# Altium PCB BW1098OAK.PcbDoc (part 1 of 3) (continued)
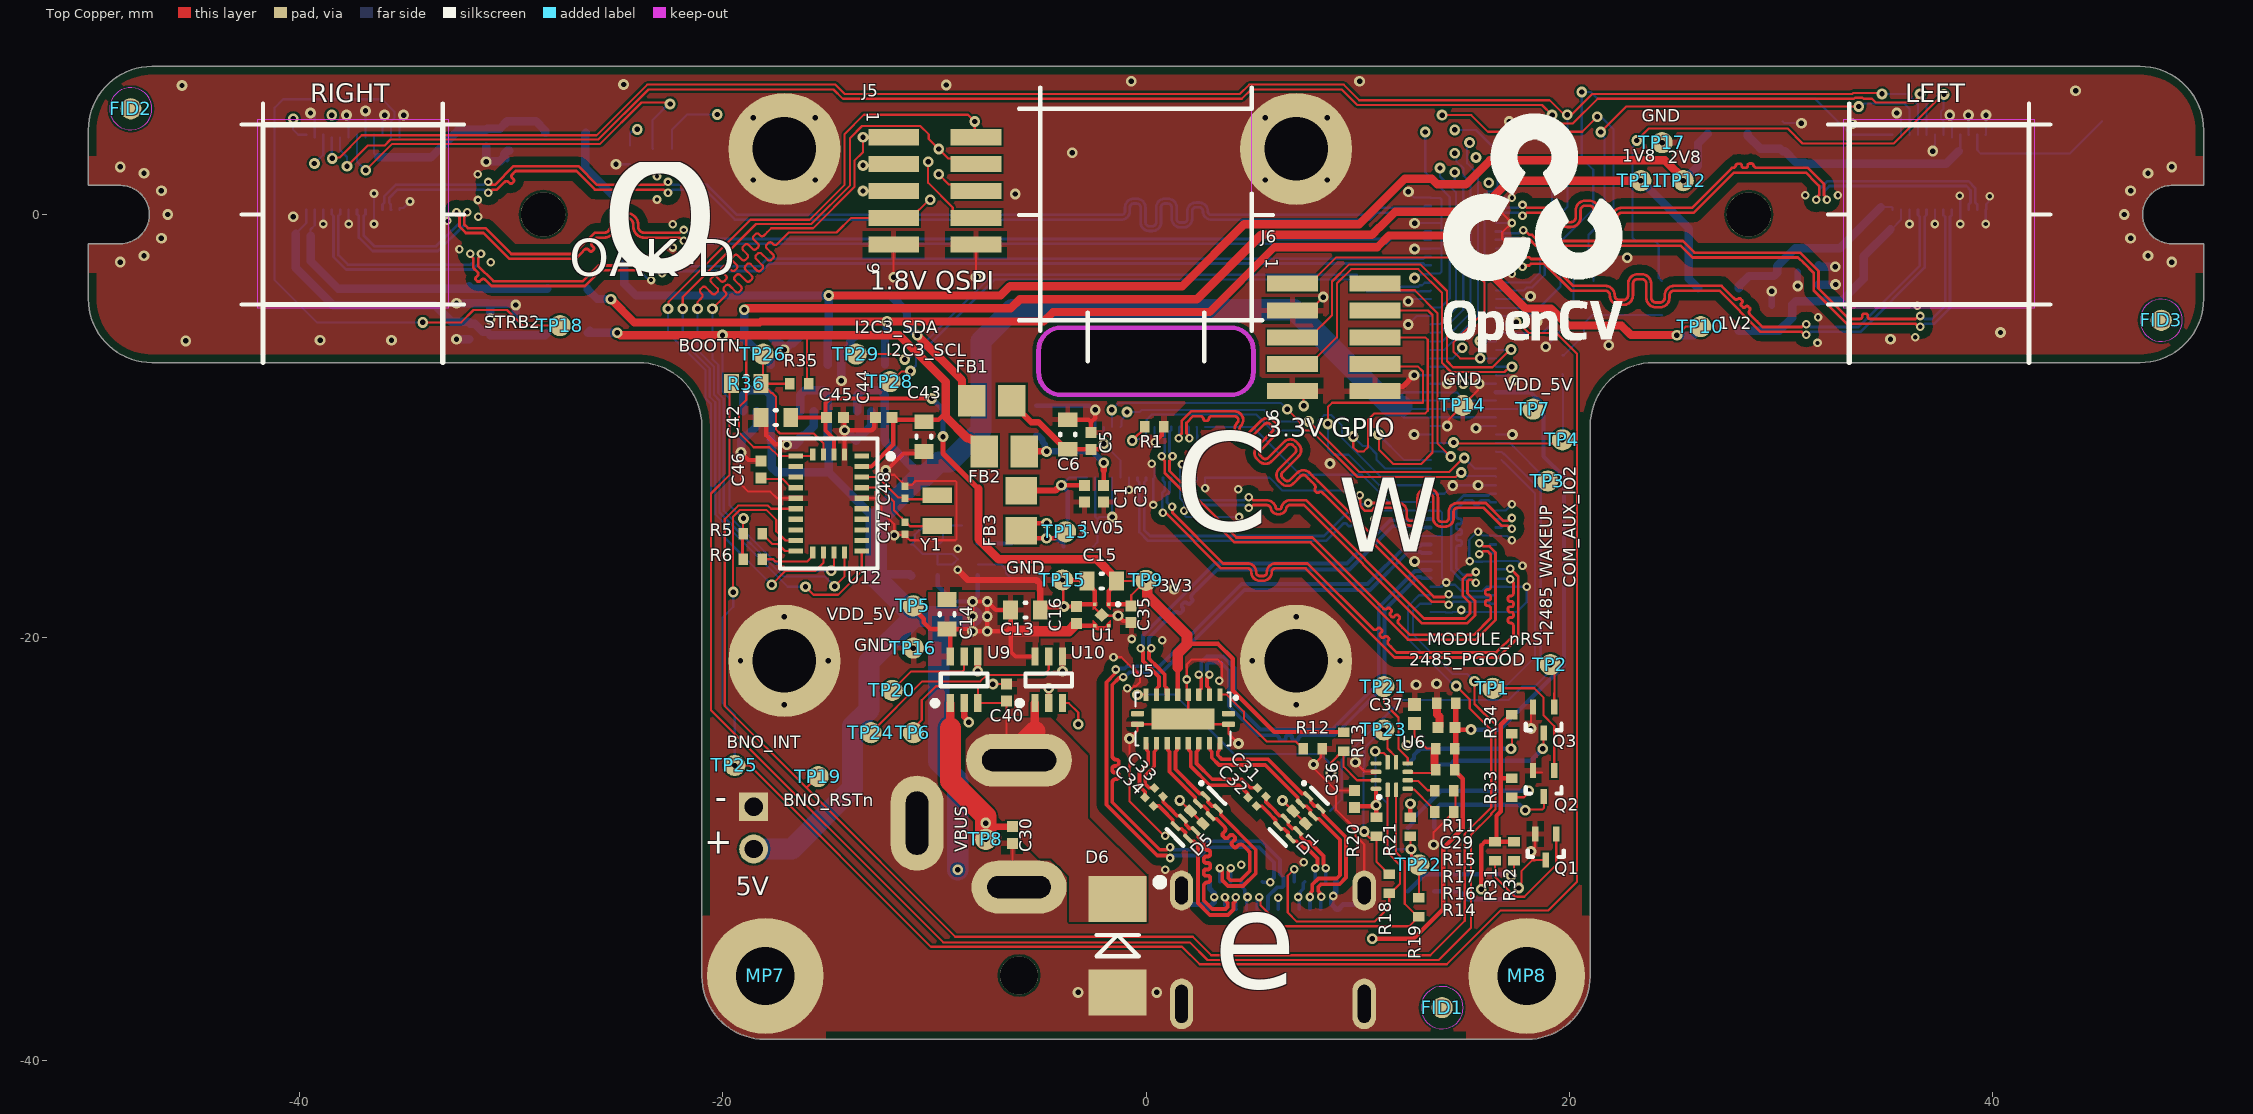
[diagram p0: Top Copper view]
## Part data (continued)
D3 D4: library part SML-D12D8WT86, "LED ORANGE DIFFUSED 0603 SMD Orange 605nm LED Indication - Discrete 2.2V 0603 (1608 Metric)", Case/Package=0603, Case Code (Metric)=1608, Color=Orange, Forward Current=20mA, Forward Voltage=2.2V, Lens Color=White, Manufacturer 1=Rohm, Max Operating Temperature=85°C, Min Operating Temperature=-40°C, Package Quantity=1, Supplier Part Number 1=511-1577-1-ND, Case Code (Imperial)=0603, ComponentLink1Description=https://datasheet.ciiva.com/2115/sml-d1-2115577.pdf?src-supplier=Digi-Key, ComponentLink1URL=https://datasheet.ciiva.com/2115/sml-d1-2115577.pdf?src-supplier=Digi-Key, ComponentLink2Description=https://datasheet.ciiva.com/2115/sml-d1-2115578.pdf?src-supplier=Digi-Key, ComponentLink2URL=https://datasheet.ciiva.com/2115/sml-d1-2115578.pdf?src-supplier=Digi-Key, ComponentLink3Description=https://datasheet.ciiva.com/3161/sml-d1-3161418.pdf?src-supplier=Avnet, ComponentLink3URL=https://datasheet.ciiva.com/3161/sml-d1-3161418.pdf?src-supplier=Avnet, ComponentLink4Description=https://datasheet.ciiva.com/16387/sml-d1-16387850.pdf?src-supplier=Future+Electronics, ComponentLink4URL=https://datasheet.ciiva.com/16387/sml-d1-16387850.pdf?src-supplier=Future+Electronics, ComponentLink5Description=https://datasheet.ciiva.com/2115/sml-d1-2115579.pdf?src-supplier=Digi-Key, ComponentLink5URL=https://datasheet.ciiva.com/2115/sml-d1-2115579.pdf?src-supplier=Digi-Key, ComponentLink6Description=https://datasheet.ciiva.com/17419/sml-d1-17419886.pdf?src-supplier=Avnet+Europe, ComponentLink6URL=https://datasheet.ciiva.com/17419/sml-d1-17419886.pdf?src-supplier=Avnet+Europe, Dominant Wavelength=605nm, Height=0.65mm, Illumination Color=Orange, Lead Free="Lead Free", Length=1.6mm, Lens Style=Diffused,Colorless,Rectangular, Lens Transparency=Diffused, Luminous Intensity=100mcd, Manufacturer Part Number 1=SML-D12D8WT86, Mount="Surface Mount", Number of LEDs=1, Number of Pins=2, Packaging="Tape and Reel", Pricing 1="1=0.33000, 10=0.23900, 100=0.11340, 500=0.07560, 1000=0.05922 (USD)", Radiation Hardening=No, REACH SVHC=Unknown, RoHS=Yes, Stock 1=29355, Supplier 1=Digi-Key, Test Current=20mA, Viewing Angle=160°, Wavelength=605nm, Width=0.8mm
D6: library part 1SMB5919BT3G, "DIODE ZENER 5.6V 3W SMB", Breakdown Voltage=5.88V, Case/Package=SMB, Forward Voltage=1.5V, Manufacturer 1="ON Semiconductor", Max Operating Temperature=150°C, Max Power Dissipation=3W, Max Reverse Leakage Current=5uA, Min Operating Temperature=-65°C, Package Quantity=1, Power Dissipation=550mW, Supplier Part Number 1=1SMB5919BT3GOSTR-ND, Test Current=66.9mA, Tolerance=5%, Voltage Rating (DC)=5.6V, Zener Current=267mA, Category="Zener Diodes", ComponentLink1Description=https://datasheet.ciiva.com/27747/1308331-27747654.pdf?src-supplier=Jameco, ComponentLink1URL=https://datasheet.ciiva.com/27747/1308331-27747654.pdf?src-supplier=Jameco, ComponentLink2Description=https://datasheet.ciiva.com/1182/1smb5913bt3-d-1182657.pdf?src-supplier=Element14, ComponentLink2URL=https://datasheet.ciiva.com/1182/1smb5913bt3-d-1182657.pdf?src-supplier=Element14, ComponentLink3Description=https://datasheet.ciiva.com/1182/1smb5913bt3-d-1182658.pdf?src-supplier=Element14, ComponentLink3URL=https://datasheet.ciiva.com/1182/1smb5913bt3-d-1182658.pdf?src-supplier=Element14, ComponentLink4Description=https://datasheet.ciiva.com/895/1smb5913bt3-d-895203.pdf?src-supplier=Digi-Key, ComponentLink4URL=https://datasheet.ciiva.com/895/1smb5913bt3-d-895203.pdf?src-supplier=Digi-Key, ComponentLink5Description=https://datasheet.ciiva.com/895/1smb5913bt3-d-895204.pdf?src-supplier=Digi-Key, ComponentLink5URL=https://datasheet.ciiva.com/895/1smb5913bt3-d-895204.pdf?src-supplier=Digi-Key, ComponentLink6Description=https://datasheet.ciiva.com/895/1smb5913bt3-d-895205.pdf?src-supplier=Digi-Key, ComponentLink6URL=https://datasheet.ciiva.com/895/1smb5913bt3-d-895205.pdf?src-supplier=Digi-Key, ComponentLink7Description=https://datasheet.ciiva.com/15198/getdatasheetpartid-311040-15198695.pdf?src-supplier=Verical, ComponentLink7URL=https://datasheet.ciiva.com/15198/getdatasheetpartid-311040-15198695.pdf?src-supplier=Verical, ComponentLink8Description=https://datasheet.ciiva.com/16311/1smb5913bt3-d-16311847.pdf?src-supplier=Future+Electronics, ComponentLink8URL=https://datasheet.ciiva.com/16311/1smb5913bt3-d-16311847.pdf?src-supplier=Future+Electronics, ComponentLink9Description=https://datasheet.ciiva.com/16472/1smb5913bt3-d-16472779.pdf?src-supplier=Avnet+Asia, ComponentLink9URL=https://datasheet.ciiva.com/16472/1smb5913bt3-d-16472779.pdf?src-supplier=Avnet+Asia, Contact Plating=Tin,Matte, Element Configuration=Single, ESD Protection=Yes, Halogen Free="Halogen Free", Height=2.13mm, Impedance=2R, Lead Free="Lead Free", Length=4.32mm, Manufacturer Part Number 1=1SMB5919BT3G, Material=Plastic, Number of Pins=2, Packaging="Tape and Reel", Peak Reverse Current=5uA, Power Rating=3W, Pricing 1="2500=0.08908, 5000=0.08384, 12500=0.07860, 25000=0.07598, 62500=0.07074 (USD)", Radiation Hardening=No, REACH SVHC="No SVHC", RoHS=Yes, Stock 1=59012, Supplier 1=Digi-Key, Supplier 2=Avnet, Supplier 3=Newark, Supplier 4=LCSC, Supplier 5="Avnet Europe", Supplier Part Number 2=1SMB5919BT3G, Supplier Part Number 3=67R1406, Supplier Part Number 4=C70260, Supplier Part Number 5=1SMB5919BT3G, Voltage Tolerance=5%, Width=3.56mm, Working Voltage=5.6V, Zener Voltage=5.6V
FB1 FB2 FB3 FB4 FB5 FB6 FB7 FB8 FB9: library part 2508056017Y2, "FERRITE BEAD, 0.1OHM, 2A, 0805, 600R/100MHz", Case/Package=0805, Case Code (Metric)=2012, Current Rating=2A, DC Resistance (DCR)=100mR, Frequency=100MHz, Manufacturer 1=Fair-Rite, Max Operating Temperature=125°C, Min Operating Temperature=-55°C, Package Quantity=4000, Resistance=350mR, Supplier Part Number 1=1934-1487-1-ND, Tolerance=25%, Case Code (Imperial)=0805, ComponentLink1Description=https://datasheet.ciiva.com/3854/3802508056017y2-3854245.pdf?src-supplier=Arrow, ComponentLink1URL=https://datasheet.ciiva.com/3854/3802508056017y2-3854245.pdf?src-supplier=Arrow, ComponentLink2Description=https://datasheet.ciiva.com/22735/652149-22735047.pdf?src-supplier=Element14, ComponentLink2URL=https://datasheet.ciiva.com/22735/652149-22735047.pdf?src-supplier=Element14, ComponentLink3Description=https://datasheet.ciiva.com/1127/26143-1127514.pdf?src-supplier=Farnell, ComponentLink3URL=https://datasheet.ciiva.com/1127/26143-1127514.pdf?src-supplier=Farnell, ComponentLink4Description=https://datasheet.ciiva.com/18090/getdatasheetpartid-212640-18090187.pdf?src-supplier=Verical, ComponentLink4URL=https://datasheet.ciiva.com/18090/getdatasheetpartid-212640-18090187.pdf?src-supplier=Verical, ComponentLink5Description=https://datasheet.ciiva.com/7620/26143-7620140.pdf?src-supplier=Element14, ComponentLink5URL=https://datasheet.ciiva.com/7620/26143-7620140.pdf?src-supplier=Element14, DC Current=2A, Depth=1.25mm, Height=0.9mm, Impedance=600R, Length=2mm, Manufacturer Part Number 1=2508056017Y2, Max DC Current=2A, Military Standard=Not, Number of Pins=2, Packaging="Tape and Reel", Pricing 1="1=0.10000, 10=0.07900, 25=0.07120, 50=0.05240, 100=0.04520, 250=0.03568, 500=0.03014, 1000=0.02538 (USD)", Radiation Hardening=No, REACH SVHC="No SVHC", RoHS=Yes, Stock 1=100491, Supplier 1=Digi-Key, Termination=SMD/SMT, Test Frequency=100MHz, Width=1.25mm
FID1 FID2 FID3 FID4 FID5 FID6: library part FIDUCIAL, "Fiducial with various available footprints"
J1: library part DF40HC(3.0)-100DS-0.4V_BW1099_G2, "CONN RCPT 100POS 0.4MM SMD GOLD", Manufacturer 1=Hirose, Manufacturer Part Number 1=DF40HC(3.0)-100DS-0.4V(51, Manufacturer Part Number 2=DF40HC(3.0)-100DS-0.4V(58), Package Quantity=1000, Supplier Part Number 1=798-DF40HC30100DS451, ComponentLink1Description=https://datasheet.ciiva.com/46636/ed-df40-20140305-46636517.pdf?src-supplier=Digi-Key, ComponentLink1URL=https://datasheet.ciiva.com/46636/ed-df40-20140305-46636517.pdf?src-supplier=Digi-Key, ComponentLink2Description=https://datasheet.ciiva.com/18562/ed-df40-20140305-18562189.pdf?src-supplier=Digi-Key, ComponentLink2URL=https://datasheet.ciiva.com/18562/ed-df40-20140305-18562189.pdf?src-supplier=Digi-Key, ComponentLink3Description=https://datasheet.ciiva.com/13559/ed-df40-20140305-13559540.pdf?src-supplier=Mouser, ComponentLink3URL=https://datasheet.ciiva.com/13559/ed-df40-20140305-13559540.pdf?src-supplier=Mouser, ComponentLink4Description=https://datasheet.ciiva.com/18562/ed-df40-20140305-18562462.pdf?src-supplier=Digi-Key, ComponentLink4URL=https://datasheet.ciiva.com/18562/ed-df40-20140305-18562462.pdf?src-supplier=Digi-Key, Connector Type=Receptacle, Contact Plating=Gold, Lead Free="Lead Free", Manufacturer 2=Hirose, Mated Stacking Height=3mm, Mount="Surface Mount", Number of Positions=100, Number of Rows=2, Packaging="Tape and Reel", Pitch=0.016inch, Pricing 1="1=2.54000, 10=2.26000, 25=2.07000, 50=2.07000, 100=1.98000, 250=1.79000, 500=1.65000, 1000=1.41000, 3000=1.32000, 6000=1.23000, 10000=1.23000 (USD)", Pricing 2="1=2.50000, 10=2.40000, 25=2.10000, 50=2.10000, 100=2.00000, 250=1.76000, 500=1.71000, 1000=1.45000, 2000=1.36000, 5000=1.31000, 10000=1.31000 (USD)", RoHS=Yes, Stock 1=2172, Stock 2=2078, Supplier 1=Mouser, Supplier 2=Mouser, Supplier Part Number 2=798-DF40HC30100DS458
J2: library part A12N02A-201_Connector_(1.6mm_brd), "CONN Series 5804 board to board 0.4mm pitch 30 way connector", Manufacturer 1="Kyocera International Electronic Components", Manufacturer Part Number 1=245804030000829+, Supplier Part Number 1=478-12013-1-ND, ComponentLink1Description=http://global.kyocera.com/prdct/electro/product/pdf/5804.pdf?src-supplier=Digi-Key, ComponentLink1URL=http://global.kyocera.com/prdct/electro/product/pdf/5804.pdf?src-supplier=Digi-Key, MAN=AVX/KYOCERA, MAN PN=24-5804-030-000-829+, Pricing 1="1=1.69000, 10=1.53600, 25=1.44200, 50=1.37940, 100=1.31670, 250=1.19132, 500=1.09726, 1000=0.94050 (USD)", RoHS=Yes, Stock 1=11469, Supplier 1=Digi-Key
J3 J9: library part TG161B-201_Connector, "CONN 24 way, 2 row board to board connector SMD", Manufacturer 1=ACON, Manufacturer Part Number 1=BBR43-24KB533, RoHS=Yes, Supplier 1=Digsemi, Supplier Part Number 1=BBR43-24KB533
J5 J6: "CONN HEADER SMD 10POS 1.27MM", Color=Black, Contact Resistance=30mR, Manufacturer 1="Amphenol FCI", Max Operating Temperature=85°C, Max Voltage Rating (AC)=125V, Min Operating Temperature=-40°C, Package Quantity=93, Supplier Part Number 1=609-6529-ND, ComponentLink1Description=https://datasheet.ciiva.com/18659/20021121-18659066.pdf?src-supplier=Digi-Key, ComponentLink1URL=https://datasheet.ciiva.com/18659/20021121-18659066.pdf?src-supplier=Digi-Key, ComponentLink2Description=https://datasheet.ciiva.com/10033/20021121-10033582.pdf?src-supplier=Avnet, ComponentLink2URL=https://datasheet.ciiva.com/10033/20021121-10033582.pdf?src-supplier=Avnet, Connector Type="Male Pin", Contact Material="Copper Alloy", Contact Mating Length=0.12inch, Contact Plating=Gold, Depth=3.4mm, Housing Color=Black, Housing Material=Thermoplastic, Length=6.35mm, Manufacturer Part Number 1=20021121-00010T1LF, Mount="Surface Mount", Number of Contacts=10, Number of Positions=10, Number of Rows=2, Orientation=Straight, Packaging=Rail/Tube, Pitch=1.27mm, Pricing 1="1=0.77000, 10=0.71800, 100=0.55040, 500=0.47860, 1000=0.39485, 5000=0.34699, 10000=0.32306 (USD)", RoHS=Yes, Row Spacing=0.05inch, Stock 1=1465, Supplier 1=Digi-Key, Supplier 2=Mouser, Supplier 3=TTI, Supplier Part Number 2=649-200211210010T1LF, Supplier Part Number 3=20021121-00010T1LF, Termination=Solder
J7: library part PJ-050AH/NEB21R_COMBO, "CONN POWER PIN 2 POS RA PTH Barrel jack 2.1mm x 5.5mm combo footprint", Color=Black, Current Rating=5A, Flammability Rating="UL94 V-0", Insulation Resistance=100MR, Manufacturer 1=CUI, Manufacturer 2=Lumberg, Manufacturer Part Number 1=PJ-050AH, Manufacturer Part Number 2="NEB 21 R", Max Current Rating=3A, Max Operating Temperature=85°C, Max Voltage Rating (DC)=12V, Min Operating Temperature=-25°C, Package Quantity=500, Supplier Part Number 1=490-PJ-050AH, Voltage Rating=24V, ComponentLink1Description=http://www.mouser.com/ds/2/670/PJ-050AH-524150.pdf?src-supplier=Mouser, ComponentLink1URL=http://www.mouser.com/ds/2/670/PJ-050AH-524150.pdf?src-supplier=Mouser, ComponentLink2Description=https://www.cui.com/product/resource/digikeypdf/pj-050ah.pdf?src-supplier=Digi-Key, ComponentLink2URL=https://www.cui.com/product/resource/digikeypdf/pj-050ah.pdf?src-supplier=Digi-Key, ComponentLink3Description=http://datasheet.octopart.com/PJ-050AH-CUI-datasheet-15696426.pdf?src-supplier=CUI, ComponentLink3URL=http://datasheet.octopart.com/PJ-050AH-CUI-datasheet-15696426.pdf?src-supplier=CUI, ComponentLink4Description=http://datasheet.octopart.com/PJ-050AH-CUI-datasheet-62089837.pdf?src-supplier=CUI, ComponentLink4URL=http://datasheet.octopart.com/PJ-050AH-CUI-datasheet-62089837.pdf?src-supplier=CUI, ComponentLink5Description=http://datasheet.octopart.com/PJ-050AH-CUI-datasheet-65972796.pdf?src-supplier=CUI, ComponentLink5URL=http://datasheet.octopart.com/PJ-050AH-CUI-datasheet-65972796.pdf?src-supplier=CUI, ComponentLink6Description=http://datasheet.octopart.com/PJ-050AH-CUI-datasheet-103766550.pdf?src-supplier=CUI, ComponentLink6URL=http://datasheet.octopart.com/PJ-050AH-CUI-datasheet-103766550.pdf?src-supplier=CUI, ComponentLink7Description=http://datasheet.octopart.com/PJ-050AH-CUI-datasheet-103111417.pdf?src-supplier=Electro+Sonic, ComponentLink7URL=http://datasheet.octopart.com/PJ-050AH-CUI-datasheet-103111417.pdf?src-supplier=Electro+Sonic, ComponentLink8Description=http://datasheet.octopart.com/PJ-050AH-CUI-datasheet-34390405.pdf?src-supplier=Future+Electronics, ComponentLink8URL=http://datasheet.octopart.com/PJ-050AH-CUI-datasheet-34390405.pdf?src-supplier=Future+Electronics, ComponentLink9Description=http://datasheet.octopart.com/PJ-050AH-CUI-datasheet-62073522.pdf?src-supplier=Future+Electronics, ComponentLink9URL=http://datasheet.octopart.com/PJ-050AH-CUI-datasheet-62073522.pdf?src-supplier=Future+Electronics, ComponentLink10Description=http://datasheet.octopart.com/PJ-050AH-CUI-datasheet-102985732.pdf?src-supplier=Future+Electronics, ComponentLink10URL=http://datasheet.octopart.com/PJ-050AH-CUI-datasheet-102985732.pdf?src-supplier=Future+Electronics, ComponentLink11Description=https://datasheet.ciiva.com/11720/0900766b805694d6-11720273.pdf?src-supplier=RSComponents, ComponentLink11URL=https://datasheet.ciiva.com/11720/0900766b805694d6-11720273.pdf?src-supplier=RSComponents, ComponentLink12Description=https://datasheet.ciiva.com/1115/28897-1115898.pdf?src-supplier=Newark, ComponentLink12URL=https://datasheet.ciiva.com/1115/28897-1115898.pdf?src-supplier=Newark, ComponentLink13Description=https://datasheet.ciiva.com/8066/1700582-8066298.pdf?src-supplier=Element14, ComponentLink13URL=https://datasheet.ciiva.com/8066/1700582-8066298.pdf?src-supplier=Element14, ComponentLink14Description=https://datasheet.ciiva.com/29365/738882-da-01-ml-netzger-einbaukuppl-neb-21-r-de-en-fr-29365351.pdf?src-supplier=Conrad, ComponentLink14URL=https://datasheet.ciiva.com/29365/738882-da-01-ml-netzger-einbaukuppl-neb-21-r-de-en-fr-29365351.pdf?src-supplier=Conrad, ComponentLink15Description=http://datasheet.octopart.com/NEB-21-R-Lumberg-datasheet-15206778.pdf?src-supplier=Newark, ComponentLink15URL=http://datasheet.octopart.com/NEB-21-R-Lumberg-datasheet-15206778.pdf?src-supplier=Newark, ComponentLink16Description=http://datasheet.octopart.com/NEB-21-R-Lumberg-datasheet-103789672.pdf?src-supplier=Farnell, ComponentLink16URL=http://datasheet.octopart.com/NEB-21-R-Lumberg-datasheet-103789672.pdf?src-supplier=Farnell, ComponentLink17Description=http://datasheet.octopart.com/NEB-21-R-Lumberg-datasheet-136395310.pdf?src-supplier=Toby+Electronics, ComponentLink17URL=http://datasheet.octopart.com/NEB-21-R-Lumberg-datasheet-136395310.pdf?src-supplier=Toby+Electronics, Connector Type=Jack, Contact Gender=Male, Contact Material=Copper, Contact Plating=Nickel, Depth=14.5mm, Gender=Male, Housing Color=Black, Housing Material=Thermoplastic, Inside Diameter=6mm, Lead Free="Lead Free", Length=9mm, Mount="Through Hole", Number of Conductors=2, Number of Pins=2, Number of Ports=1, Number of Terminals=3, Orientation=Horizontal, Packaging=Bulk, Pricing 1="1=0.78000, 10=0.68800, 50=0.62100, 100=0.59400, 1000=0.43200, 10000=0.39100 (USD)", Pricing 2="1=0.86400, 25=0.82100, 50=0.78300, 100=0.72900, 250=0.68600 (USD)", REACH SVHC="No SVHC", Shielding=Unshielded, Stock 1=2665, Stock 2=56, Supplier 1=Mouser, Supplier 2=Newark, Supplier 3=Digi-Key, Supplier 4=Element14, Supplier Part Number 2=97K6458, Supplier Part Number 3=CP-050AH-ND, Supplier Part Number 4=1217037, Termination=Solder, Voltage Rating (AC)=12V, Voltage Rating (DC)=12V
J8: "CONN HEADER VERT 2POS 2MM", Color=Natural, Contact Resistance=20mR, Current Rating=2A, Housing Color=White, Insulation Resistance=1MR, Manufacturer 1=JST, Max Operating Temperature=85°C, Max Voltage Rating (AC)=100V, Min Operating Temperature=-25°C, Supplier Part Number 1=455-1704-ND, ComponentLink1Description=https://datasheet.ciiva.com/6747/80560-6747392.pdf?src-supplier=Newark, ComponentLink1URL=https://datasheet.ciiva.com/6747/80560-6747392.pdf?src-supplier=Newark, ComponentLink2Description=https://datasheet.ciiva.com/11746/0900766b8082f551-11746676.pdf?src-supplier=RSComponents, ComponentLink2URL=https://datasheet.ciiva.com/11746/0900766b8082f551-11746676.pdf?src-supplier=RSComponents, ComponentLink3Description=https://datasheet.ciiva.com/8052/80560-8052022.pdf?src-supplier=Element14, ComponentLink3URL=https://datasheet.ciiva.com/8052/80560-8052022.pdf?src-supplier=Element14, ComponentLink4Description=https://datasheet.ciiva.com/712/eph-712442.pdf?src-supplier=Digi-Key, ComponentLink4URL=https://datasheet.ciiva.com/712/eph-712442.pdf?src-supplier=Digi-Key, ComponentLink5Description=https://datasheet.ciiva.com/16422/b2b-ph-k-slfsn-16422715.pdf?src-supplier=Future+Electronics, ComponentLink5URL=https://datasheet.ciiva.com/16422/b2b-ph-k-slfsn-16422715.pdf?src-supplier=Future+Electronics, Connector Type="Male Pin", Contact Material=Brass, Contact Mating Length=0.13inch, Contact Plating=Tin, Depth=4.5mm, Fastening Type=Detent, Gender=Male, Height=9.4mm, Housing Material=Polyamide, Lead Free="Lead Free", Lead Pitch=2mm, Length=5.9mm, Manufacturer Part Number 1=B2B-PH-K-S(LF)(SN), Max Current Rating=2A, Max Voltage Rating (DC)=100V, Mount="Through Hole", Number of Contacts=2, Number of Pins=2, Number of Poles=2, Number of Positions=2, Number of Rows=1, Orientation=Straight, Packaging=Bulk, Pitch=2mm, Pricing 1="1 = 0.170000, 10 = 0.162000, 100 = 0.100200, 500 = 0.082880, 1000 = 0.072520, 5000 = 0.062160, 10000 = 0.060440 (USD)", REACH SVHC="No SVHC", RoHS=Yes, Stock 1=216199, Supplier 1=Digi-Key, Termination=Solder, Voltage Rating=100V, Voltage Rating (AC)=100V, Width=4.5mm, Working Voltage=100V
J10: library part 105450-0101, "CONN RCP USB3.1 TYPEC 24P SMD RA", Case/Package=0101, Current Rating=5A, Flammability Rating="UL94 V-0", Insulation Color=Black, Manufacturer 1=Molex, Max Operating Temperature=85°C, Min Operating Temperature=-30°C, Supplier Part Number 1=WM12856CT-ND, ComponentLink1Description=http://www.farnell.com/datasheets/2673427.pdf?src-supplier=Farnell, ComponentLink1URL=http://www.farnell.com/datasheets/2673427.pdf?src-supplier=Farnell, ComponentLink2Description=http://www.farnell.com/datasheets/2801634.pdf?src-supplier=Farnell, ComponentLink2URL=http://www.farnell.com/datasheets/2801634.pdf?src-supplier=Farnell, ComponentLink3Description=http://www.farnell.com/datasheets/2672741.pdf?src-supplier=Newark, ComponentLink3URL=http://www.farnell.com/datasheets/2672741.pdf?src-supplier=Newark, ComponentLink4Description=https://www.molex.com/pdm_docs/sd/1054500101_sd.pdf?src-supplier=Digi-Key, ComponentLink4URL=https://www.molex.com/pdm_docs/sd/1054500101_sd.pdf?src-supplier=Digi-Key, ComponentLink5Description=https://www.molex.com/pdm_docs/ps/PS-105448-001.pdf?src-supplier=Digi-Key, ComponentLink5URL=https://www.molex.com/pdm_docs/ps/PS-105448-001.pdf?src-supplier=Digi-Key, ComponentLink6Description=http://www.farnell.com/datasheets/2015275.pdf?src-supplier=Element14, ComponentLink6URL=http://www.farnell.com/datasheets/2015275.pdf?src-supplier=Element14, ComponentLink7Description=http://www.literature.molex.com/SQLImages/kelmscott/Molex/PDF_Images/987651-4081.PDF?src-supplier=Avnet, ComponentLink7URL=http://www.literature.molex.com/SQLImages/kelmscott/Molex/PDF_Images/987651-4081.PDF?src-supplier=Avnet, ComponentLink8Description=http://www.literature.molex.com/SQLImages/kelmscott/Molex/PDF_Images/987651-4081.PDF?src-supplier=Avnet+Asia, ComponentLink8URL=http://www.literature.molex.com/SQLImages/kelmscott/Molex/PDF_Images/987651-4081.PDF?src-supplier=Avnet+Asia, Connector Type=USB, Contact Material="Copper Alloy", Contact Plating=Gold, Features=Shielded, Gender=Receptacle, Housing Material=Thermoplastic, Length=8.94mm, Manufacturer Part Number 1=105450-0101, Mating Cycles=10000, Mount="Surface Mount,Through Hole,Horizontal", Number of Contacts=24, Number of Pins=24, Number of Ports=1, Number of Terminals=24, Orientation="Right Angle", Packaging="Tape and Reel", Pitch=0.5mm, Pricing 1="1=2.15000, 10=1.94900, 25=1.82960, 50=1.75000, 100=1.67050, 250=1.51140, 500=1.39208 (USD)", REACH SVHC=Unknown, RoHS=Yes, Shielding=Shielded, Stock 1=13882, Supplier 1=Digi-Key, Supplier 2=Newark, Supplier 3=Mouser, Supplier Part Number 2=02AH5567, Supplier Part Number 3=538-105450-0101, Termination=Solder, USB Standard="USB 3.1"
L1: library part DFE252012P-1R0M=P2, "FIXED IND 1UH 3.2A 42 MOHM SMD", Case/Package=1008, Case Code (Metric)=2520, Current Rating=4.3A, DC Resistance (DCR)=42mR, Inductance=1uH, Manufacturer=Murata, Manufacturer Part Number=DFE252012P-1R0M=P2, Max DC Current=3.2A, Max Operating Temperature=125°C, Min Operating Temperature=-40°C, Supplier Part Number 1=490-10647-1-ND, Test Frequency=1MHz, Tolerance=20%, Case Code (Imperial)=1008, ComponentLink1Description=http://www.farnell.com/datasheets/2550134.pdf?src-supplier=Farnell, ComponentLink1URL=http://www.farnell.com/datasheets/2550134.pdf?src-supplier=Farnell, ComponentLink2Description=https://www.murata.com/~/media/webrenewal/products/inductor/chip/tokoproducts/wirewoundmetalalloychiptype/m_dfe252012p.ashx?src-supplier=Digi-Key, ComponentLink2URL=https://www.murata.com/~/media/webrenewal/products/inductor/chip/tokoproducts/wirewoundmetalalloychiptype/m_dfe252012p.ashx?src-supplier=Digi-Key, ComponentLink3Description=http://www.murata.com/~/media/webrenewal/products/inductor/chip/tokoproducts/wirewoundmetalalloychiptype/m_dfe252012p.ashx?src-supplier=Digi-Key, ComponentLink3URL=http://www.murata.com/~/media/webrenewal/products/inductor/chip/tokoproducts/wirewoundmetalalloychiptype/m_dfe252012p.ashx?src-supplier=Digi-Key, ComponentLink4Description=http://www.toko.co.jp/products/pdf/inductors/dfe252012p.pdf?src-supplier=Avnet, ComponentLink4URL=http://www.toko.co.jp/products/pdf/inductors/dfe252012p.pdf?src-supplier=Avnet, Composition=Wirewound, Core Material=Ferrite, Depth=2mm, Height - Seated (Max)=0.039inch, Length=0.098inch, Manufacturer 1=Murata, Manufacturer 2=Murata, Manufacturer 3=Murata, Manufacturer 4=Murata, Manufacturer Part Number 1=DFE252012P-1R0M=P2, Manufacturer Part Number 2=DFE252012P-1R0M=P2, Manufacturer Part Number 3=DFE252012P-1R0M=P2, Manufacturer Part Number 4=DFE252012P-1R0M=P2, Mount="Surface Mount", Packaging="Tape and Reel", Pricing 1="1=0.43000, 10=0.37800, 100=0.27030, 500=0.22702, 1000=0.18377 (USD)", Pricing 2="1=0.43000, 10=0.37800, 100=0.27030, 500=0.22702, 1000=0.18377 (USD)", Pricing 3="1=0.43000, 10=0.37900, 50=0.37900, 100=0.27000, 1000=0.18400, 10000=0.14600 (USD)", Pricing 4="1=0.64000, 10=0.56500, 100=0.40500, 500=0.34000, 1000=0.27500 (SGD)", RoHS=Yes, Shielding=Shielded, Stock 1=2560, Stock 2=95, Stock 3=667, Stock 4=41, Supplier 1=Digi-Key, Supplier 2=Digi-Key, Supplier 3=Mouser, Supplier 4=Element14, Supplier Part Number 2=490-10647-6-ND, Supplier Part Number 3=81-DFE252012P-1R0MP2, Supplier Part Number 4=2530071, Width=0.079inch
MH1 MH2 MH3 MH4: library part 9774030243R, "MP ROUND STANDOFF M2X0.4 STEEL 3MM", Manufacturer 1="Wurth Electronics", Supplier Part Number 1=732-7085-1-ND, ComponentLink1Description=http://www.mouser.com/ds/2/445/9774030243R-611455.pdf?src-supplier=Mouser, ComponentLink1URL=http://www.mouser.com/ds/2/445/9774030243R-611455.pdf?src-supplier=Mouser, ComponentLink2Description=http://www.farnell.com/datasheets/1960368.pdf?src-supplier=Farnell, ComponentLink2URL=http://www.farnell.com/datasheets/1960368.pdf?src-supplier=Farnell, ComponentLink3Description=https://katalog.we-online.de/em/datasheet/9774030243R.pdf?src-supplier=Digi-Key, ComponentLink3URL=https://katalog.we-online.de/em/datasheet/9774030243R.pdf?src-supplier=Digi-Key, ComponentLink4Description=http://www.farnell.com/datasheets/1960368.pdf?src-supplier=Newark, ComponentLink4URL=http://www.farnell.com/datasheets/1960368.pdf?src-supplier=Newark, ComponentLink5Description=http://www.farnell.com/datasheets/1960368.pdf?src-supplier=Element14, ComponentLink5URL=http://www.farnell.com/datasheets/1960368.pdf?src-supplier=Element14, Length=0.173inch, Manufacturer Part Number 1=9774030243R, Material=Steel, Outside Diameter=0.171inch, Plating=Tin, Pricing 1="1=0.95000, 10=0.91800, 50=0.79500, 100=0.73900 (USD)", REACH SVHC=Unknown, RoHS=Yes, Stock 1=20568, Supplier 1=Digi-Key, Supplier 2=Mouser, Supplier 3=Element14, Supplier Part Number 2=710-9774030243R, Supplier Part Number 3=2497599, Threaded/Unthreaded=Threaded
MISC1: library part BW1099_Footprint, "MISC - Use for aligning BW1099 mount"
MP7 MP8: library part MP_Mounting-Holes, "=CurrentFootprint", B - Value="Not a Part", A - Level=0
Q1 Q2 Q3: "MOSFET N-CH 20V 0.2A EMT3", Case/Package=SOT-89, Continuous Drain Current (ID)=200mA, Drain to Source Voltage (Vdss)=20V, Input Capacitance=25pF, Manufacturer 1=Rohm, Max Power Dissipation=150mW, Supplier Part Number 1=RE1C002UNTCLCT-ND, ComponentLink1Description=http://www.mouser.com/ds/2/348/re1c002untcl-e-1018231.pdf?src-supplier=Mouser, ComponentLink1URL=http://www.mouser.com/ds/2/348/re1c002untcl-e-1018231.pdf?src-supplier=Mouser, ComponentLink2Description=http://rohmfs.rohm.com/en/techdata_basic/transistor/taping/EMT3_TL_taping.pdf?src-supplier=Digi-Key, ComponentLink2URL=http://rohmfs.rohm.com/en/techdata_basic/transistor/taping/EMT3_TL_taping.pdf?src-supplier=Digi-Key, ComponentLink3Description=http://rohmfs.rohm.com/en/products/databook/datasheet/discrete/transistor/mosfet/re1c002un.pdf?src-supplier=Avnet, ComponentLink3URL=http://rohmfs.rohm.com/en/products/databook/datasheet/discrete/transistor/mosfet/re1c002un.pdf?src-supplier=Avnet, ComponentLink4Description=https://www.rohm.com/datasheet/RE1C002UN/re1c002untcl-e?src-supplier=Digi-Key, ComponentLink4URL=https://www.rohm.com/datasheet/RE1C002UN/re1c002untcl-e?src-supplier=Digi-Key, ComponentLink5Description=http://www.farnell.com/datasheets/2704376.pdf?src-supplier=Newark, ComponentLink5URL=http://www.farnell.com/datasheets/2704376.pdf?src-supplier=Newark, ComponentLink6Description=http://www.farnell.com/datasheets/2704376.pdf?src-supplier=Farnell, ComponentLink6URL=http://www.farnell.com/datasheets/2704376.pdf?src-supplier=Farnell, ComponentLink7Description=http://www.farnell.com/datasheets/2704376.pdf?src-supplier=Element14, ComponentLink7URL=http://www.farnell.com/datasheets/2704376.pdf?src-supplier=Element14, Lead Free="Lead Free", Manufacturer Part Number 1=RE1C002UNTCL, Mount="Surface Mount", Packaging="Tape and Reel", Pricing 1="1=0.20000, 10=0.18200, 100=0.09930, 500=0.06112, 1000=0.04167 (USD)", Rds On Max=1.2R, RoHS=Yes, Stock 1=868886, Supplier 1=Digi-Key
R1 R2 R4 R9 R11 R12 R13 R14 R16 R18 R19 R20 R21 R35: library part RC0402FR-1310KL, "RES SMD 10K OHM 1% 0402 1/16W Chip Resistor, 0402 [1005 Metric], 10 kohm, RC Series, 50 V, Thick Film, 62.5 mW", Case Code (Imperial)=0402, Case Code (Metric)=1005, Manufacturer 1=Yageo, Max Operating Temperature=155°C, Min Operating Temperature=-55°C, Power Rating=62.5mW, Resistance=10kR, Supplier Part Number 1=67R9960, Temperature Coefficient=100ppm/°C, Tolerance=1%, Voltage Rating=50V, Case/Package=0402, ComponentLink1Description=https://datasheet.ciiva.com/16940/pyu-rc0402-51-rohs-l-6-16940293.pdf?src-supplier=Avnet+Europe, ComponentLink1URL=https://datasheet.ciiva.com/16940/pyu-rc0402-51-rohs-l-6-16940293.pdf?src-supplier=Avnet+Europe, ComponentLink2Description=https://datasheet.ciiva.com/28386/pyu-rc0402-51-rohs-l-6-28386855.pdf?src-supplier=Avnet+Europe, ComponentLink2URL=https://datasheet.ciiva.com/28386/pyu-rc0402-51-rohs-l-6-28386855.pdf?src-supplier=Avnet+Europe, ComponentLink3Description=https://datasheet.ciiva.com/16740/pyu-rc0402-51-rohs-l-6-r-16740602.pdf?src-supplier=Future+Electronics, ComponentLink3URL=https://datasheet.ciiva.com/16740/pyu-rc0402-51-rohs-l-6-r-16740602.pdf?src-supplier=Future+Electronics, ComponentLink4Description=https://datasheet.ciiva.com/8891/pyu-rc0402-51-rohs-l-6-8891339.pdf?src-supplier=Avnet, ComponentLink4URL=https://datasheet.ciiva.com/8891/pyu-rc0402-51-rohs-l-6-8891339.pdf?src-supplier=Avnet, ComponentLink5Description=https://datasheet.ciiva.com/5557/pyu-rc0402-51-rohs-l-6-r-5557997.pdf?src-supplier=Mouser, ComponentLink5URL=https://datasheet.ciiva.com/5557/pyu-rc0402-51-rohs-l-6-r-5557997.pdf?src-supplier=Mouser, ComponentLink6Description=https://datasheet.ciiva.com/7983/1018594-7983533.pdf?src-supplier=Element14, ComponentLink6URL=https://datasheet.ciiva.com/7983/1018594-7983533.pdf?src-supplier=Element14, Composition="Thick Film", Contact Plating=Tin,Matte,Lead, Depth=0.5mm, Lead Free="Lead Free", Length=1mm, Manufacturer Part Number 1=RC0402FR-1310KL, Military Standard=Not, Number of Pins=2, Number of Terminations=2, Packaging="Tape and Reel", Pricing 1="1=0.10000, 25=0.01200, 100=0.00400, 250=0.00400, 500=0.00300, 1000=0.00300 (USD)", Radiation Hardening=No, REACH SVHC="No SVHC", RoHS=Yes, Stock 1=62239, Supplier 1=Newark, Supplier 2="Future Electronics", Supplier 3=Mouser, Supplier 4=Element14, Supplier Part Number 2=RC0402FR-1310KL-CUTT, Supplier Part Number 3=603-RC0402FR-1310KL, Supplier Part Number 4=1799235, Termination=SMD/SMT, Voltage Rating (DC)=50V, Working Voltage=50V
R3 R10: library part CRCW04020000Z0ED, "RES SMD 0 OHM JUMPER 1/16W 0402", Case/Package=0402, Case Code (Metric)=1005, Manufacturer 1=Vishay, Max Operating Temperature=155°C, Max Power Dissipation=63mW, Min Operating Temperature=-55°C, Package Quantity=1, Resistance=0mR, Supplier Part Number 1=541-0.0JCT-ND, Temperature Coefficient=100ppm/°C, Tolerance=5%, Voltage Rating=50V, Case Code (Imperial)=0402, ComponentLink1Description=https://datasheet.ciiva.com/3255/dcrcwe3-3255944.pdf?src-supplier=Avnet, ComponentLink1URL=https://datasheet.ciiva.com/3255/dcrcwe3-3255944.pdf?src-supplier=Avnet, ComponentLink2Description=https://datasheet.ciiva.com/3255/dcrcwe3-3255945.pdf?src-supplier=Avnet, ComponentLink2URL=https://datasheet.ciiva.com/3255/dcrcwe3-3255945.pdf?src-supplier=Avnet, ComponentLink3Description=https://datasheet.ciiva.com/16881/dcrcwe3-16881413.pdf?src-supplier=Avnet+Europe, ComponentLink3URL=https://datasheet.ciiva.com/16881/dcrcwe3-16881413.pdf?src-supplier=Avnet+Europe, ComponentLink4Description=https://datasheet.ciiva.com/2461/dcrcwe3-2461962.pdf?src-supplier=Digi-Key, ComponentLink4URL=https://datasheet.ciiva.com/2461/dcrcwe3-2461962.pdf?src-supplier=Digi-Key, ComponentLink5Description=https://datasheet.ciiva.com/7841/1720486-7841802.pdf?src-supplier=Element14, ComponentLink5URL=https://datasheet.ciiva.com/7841/1720486-7841802.pdf?src-supplier=Element14, ComponentLink6Description=https://datasheet.ciiva.com/2461/dcrcwe3-2461963.pdf?src-supplier=Digi-Key, ComponentLink6URL=https://datasheet.ciiva.com/2461/dcrcwe3-2461963.pdf?src-supplier=Digi-Key, ComponentLink7Description=https://datasheet.ciiva.com/2461/dcrcwe3-2461964.pdf?src-supplier=Digi-Key, ComponentLink7URL=https://datasheet.ciiva.com/2461/dcrcwe3-2461964.pdf?src-supplier=Digi-Key, ComponentLink8Description=https://datasheet.ciiva.com/7841/1697337-7841468.pdf?src-supplier=Element14, ComponentLink8URL=https://datasheet.ciiva.com/7841/1697337-7841468.pdf?src-supplier=Element14, ComponentLink9Description=https://datasheet.ciiva.com/16761/70200976-16761309.pdf?src-supplier=Allied+Electronics, ComponentLink9URL=https://datasheet.ciiva.com/16761/70200976-16761309.pdf?src-supplier=Allied+Electronics, ComponentLink10Description=https://datasheet.ciiva.com/26311/fld-crcw-e3-data-en-26311550.pdf?src-supplier=Distrelec, ComponentLink10URL=https://datasheet.ciiva.com/26311/fld-crcw-e3-data-en-26311550.pdf?src-supplier=Distrelec, Composition="Thick Film", Contact Plating=Tin, Depth=0.5mm, Features="Automotive AEC-Q200", Height=0.35mm, Lead Free="Lead Free", Length=1mm, Manufacturer Part Number 1=CRCW04020000Z0ED, Military Standard=Not, Mount="Surface Mount", Number of Terminations=2, Packaging="Tape and Reel", Power Rating=63mW, Pricing 1="1=0.10000, 10=0.03400, 25=0.02440, 50=0.01860, 100=0.01380, 250=0.01048, 500=0.00840, 1000=0.00618, 5000=0.00443 (USD)", Radiation Hardening=No, REACH SVHC=Unknown, RoHS=Yes, Stock 1=855968, Supplier 1=Digi-Key, Termination=SMD/SMT, Voltage Rating (DC)=50V, Weight=2.3E-05oz, Width=0.5mm
R5 R6: library part RC0402FR-072K2L, "RES SMD 2.2K OHM 1% 1/16W 0402", Case Code (Imperial)=0402, Case Code (Metric)=1005, Manufacturer 1=Yageo, Max Operating Temperature=155°C, Min Operating Temperature=-55°C, Power Rating=63mW, Resistance=2.2kR, Supplier Part Number 1=311-2.20KLRCT-ND, Temperature Coefficient=100ppm/°C, Tolerance=1%, Voltage Rating=50V, Case/Package=0402, ComponentLink1Description=https://datasheet.ciiva.com/11808/0900766b80c66297-11808786.pdf?src-supplier=RSComponents, ComponentLink1URL=https://datasheet.ciiva.com/11808/0900766b80c66297-11808786.pdf?src-supplier=RSComponents, ComponentLink2Description=https://datasheet.ciiva.com/12577/pyu-rc0402-51-rohs-l-6-r-12577429.pdf?src-supplier=Mouser, ComponentLink2URL=https://datasheet.ciiva.com/12577/pyu-rc0402-51-rohs-l-6-r-12577429.pdf?src-supplier=Mouser, ComponentLink3Description=https://datasheet.ciiva.com/16741/pyu-rc0402-51-rohs-l-6-r-16741015.pdf?src-supplier=Future+Electronics, ComponentLink3URL=https://datasheet.ciiva.com/16741/pyu-rc0402-51-rohs-l-6-r-16741015.pdf?src-supplier=Future+Electronics, ComponentLink4Description=https://datasheet.ciiva.com/7983/1018594-7983515.pdf?src-supplier=Element14, ComponentLink4URL=https://datasheet.ciiva.com/7983/1018594-7983515.pdf?src-supplier=Element14, ComponentLink5Description=https://datasheet.ciiva.com/46383/1018594-46383563.pdf?src-supplier=Element14, ComponentLink5URL=https://datasheet.ciiva.com/46383/1018594-46383563.pdf?src-supplier=Element14, ComponentLink6Description=https://datasheet.ciiva.com/7849/1018594-7849928.pdf?src-supplier=Element14, ComponentLink6URL=https://datasheet.ciiva.com/7849/1018594-7849928.pdf?src-supplier=Element14, ComponentLink7Description=https://datasheet.ciiva.com/7849/1018594-7849929.pdf?src-supplier=Element14, ComponentLink7URL=https://datasheet.ciiva.com/7849/1018594-7849929.pdf?src-supplier=Element14, Composition="Thick Film", Depth=0.5mm, Height=0.35mm, Lead Free="Lead Free", Length=1mm, Manufacturer Part Number 1=RC0402FR-072K2L, Military Standard=Not, Packaging="Tape and Reel", Pricing 1="1=0.10000, 10=0.01600, 100=0.00640, 1000=0.00289, 2500=0.00251, 5000=0.00207 (USD)", REACH SVHC=Unknown, RoHS=Yes, Stock 1=12579098, Supplier 1=Digi-Key, Supplier 2=Mouser, Supplier 3=Newark, Supplier Part Number 2=603-RC0402FR-072K2L, Supplier Part Number 3=98K7523, Termination=SMD/SMT, Weight=2.3E-05oz, Width=0.5mm
R7: library part CRCW040253K6FKED, "RES SMD 53.6K OHM 1% 1/16W 0402", Case/Package=0402, Case Code (Metric)=1005, Manufacturer 1=Vishay, Max Operating Temperature=155°C, Max Power Dissipation=63mW, Min Operating Temperature=-55°C, Package Quantity=10, Resistance=53.6kR, Supplier Part Number 1=541-53.6KLCT-ND, Temperature Coefficient=100ppm/°C, Tolerance=1%, Voltage Rating=50V, Case Code (Imperial)=0402, ComponentLink1Description=https://datasheet.ciiva.com/5542/dcrcwe3-109170-5542453.pdf?src-supplier=Mouser, ComponentLink1URL=https://datasheet.ciiva.com/5542/dcrcwe3-109170-5542453.pdf?src-supplier=Mouser, ComponentLink2Description=https://datasheet.ciiva.com/7815/1697337-7815992.pdf?src-supplier=Element14, ComponentLink2URL=https://datasheet.ciiva.com/7815/1697337-7815992.pdf?src-supplier=Element14, ComponentLink3Description=https://datasheet.ciiva.com/7815/1697337-7815993.pdf?src-supplier=Element14, ComponentLink3URL=https://datasheet.ciiva.com/7815/1697337-7815993.pdf?src-supplier=Element14, ComponentLink4Description=https://datasheet.ciiva.com/16208/dcrcwe3-16208556.pdf?src-supplier=Future+Electronics, ComponentLink4URL=https://datasheet.ciiva.com/16208/dcrcwe3-16208556.pdf?src-supplier=Future+Electronics, ComponentLink5Description=https://datasheet.ciiva.com/2464/dcrcwe3-2464093.pdf?src-supplier=Digi-Key, ComponentLink5URL=https://datasheet.ciiva.com/2464/dcrcwe3-2464093.pdf?src-supplier=Digi-Key, ComponentLink6Description=https://datasheet.ciiva.com/2464/dcrcwe3-2464094.pdf?src-supplier=Digi-Key, ComponentLink6URL=https://datasheet.ciiva.com/2464/dcrcwe3-2464094.pdf?src-supplier=Digi-Key, ComponentLink7Description=https://datasheet.ciiva.com/3256/dcrcwe3-3256638.pdf?src-supplier=Avnet, ComponentLink7URL=https://datasheet.ciiva.com/3256/dcrcwe3-3256638.pdf?src-supplier=Avnet, ComponentLink8Description=https://datasheet.ciiva.com/2464/dcrcwe3-2464095.pdf?src-supplier=Digi-Key, ComponentLink8URL=https://datasheet.ciiva.com/2464/dcrcwe3-2464095.pdf?src-supplier=Digi-Key, ComponentLink9Description=https://datasheet.ciiva.com/3256/dcrcwe3-3256639.pdf?src-supplier=Avnet, ComponentLink9URL=https://datasheet.ciiva.com/3256/dcrcwe3-3256639.pdf?src-supplier=Avnet, Composition="Thick Film", Contact Plating=Tin, Depth=0.5mm, Features="Automotive AEC-Q200", Height=0.016inch, Length=1mm, Manufacturer Part Number 1=CRCW040253K6FKED, Military Standard=Not, Number of Pins=2, Number of Terminations=2, Packaging="Tape and Reel", Power Rating=63mW, Pricing 1="1=0.10000, 10=0.03800, 100=0.01540, 1000=0.00690, 2500=0.00599, 5000=0.00495 (USD)", Radiation Hardening=No, REACH SVHC=Unknown, RoHS=Yes, Stock 1=82953, Supplier 1=Digi-Key, Weight=2.3E-05oz, Width=0.5mm